# Altium PCB radxa_cm4_io_v1.10.PcbDoc (part 1 of 8)
Units mil, origin at the board's own origin, x right, y up, seen from the top; angles counter-clockwise.
Board outline 6299.62 x 3544.12 mil, 4 copper layers (Top, GND, Power, Bottom), stack 35.4 mil thick; 509 components, 417 nets, 1867 pads, 2150 vias.
Unrouted connection lines stored in the file: 1451.
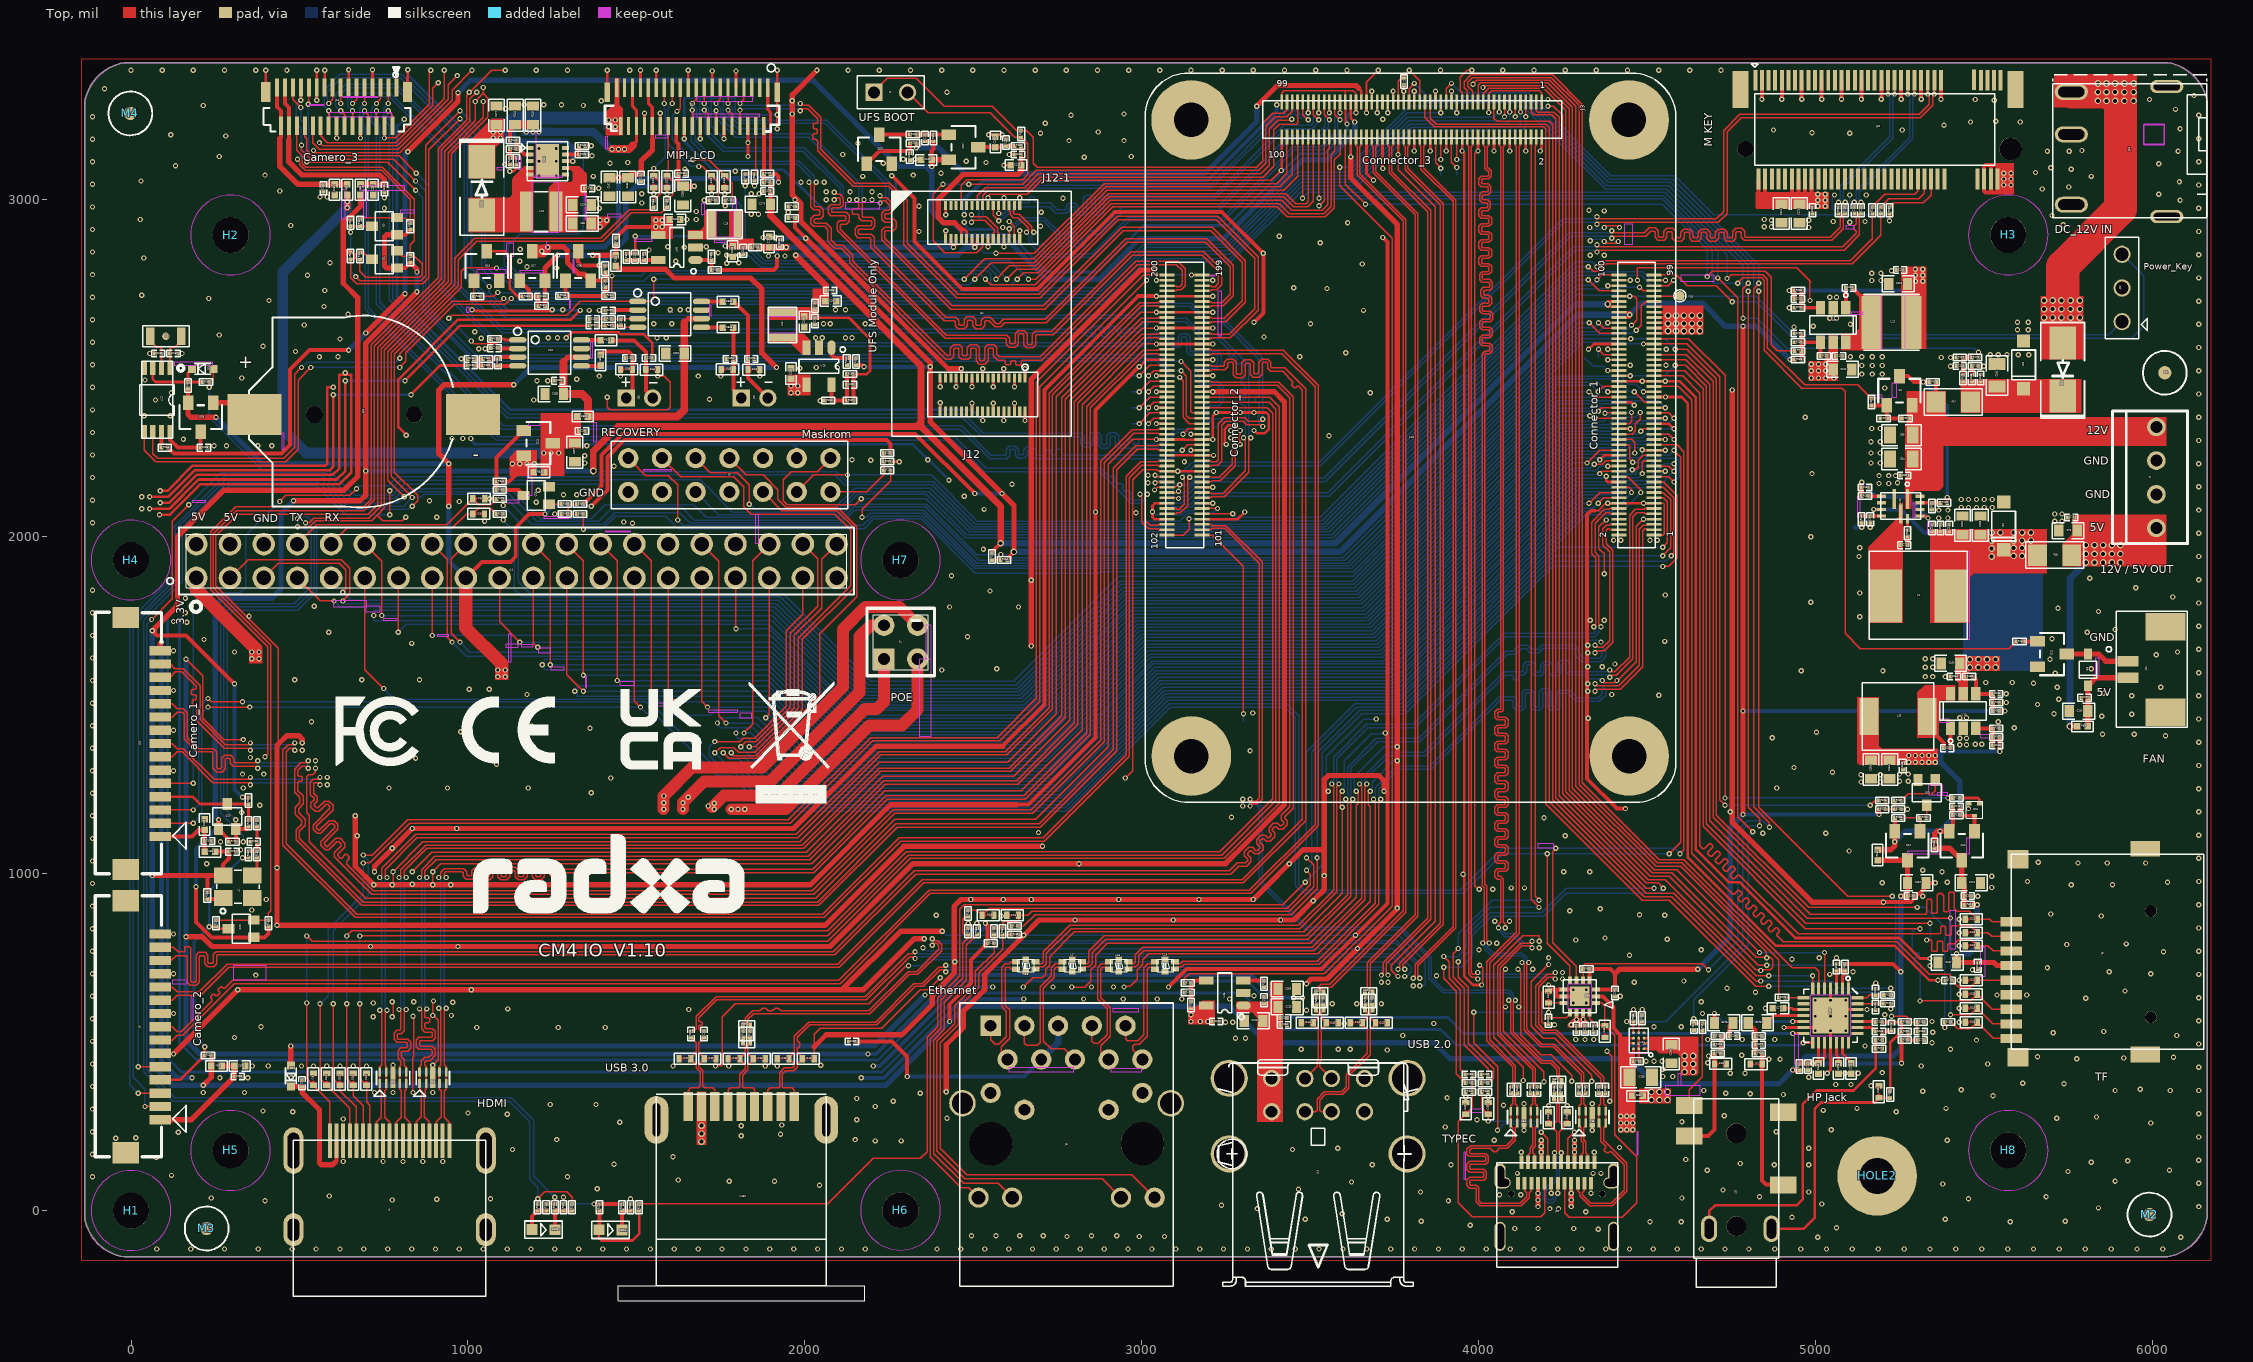
[diagram p0: Top view]
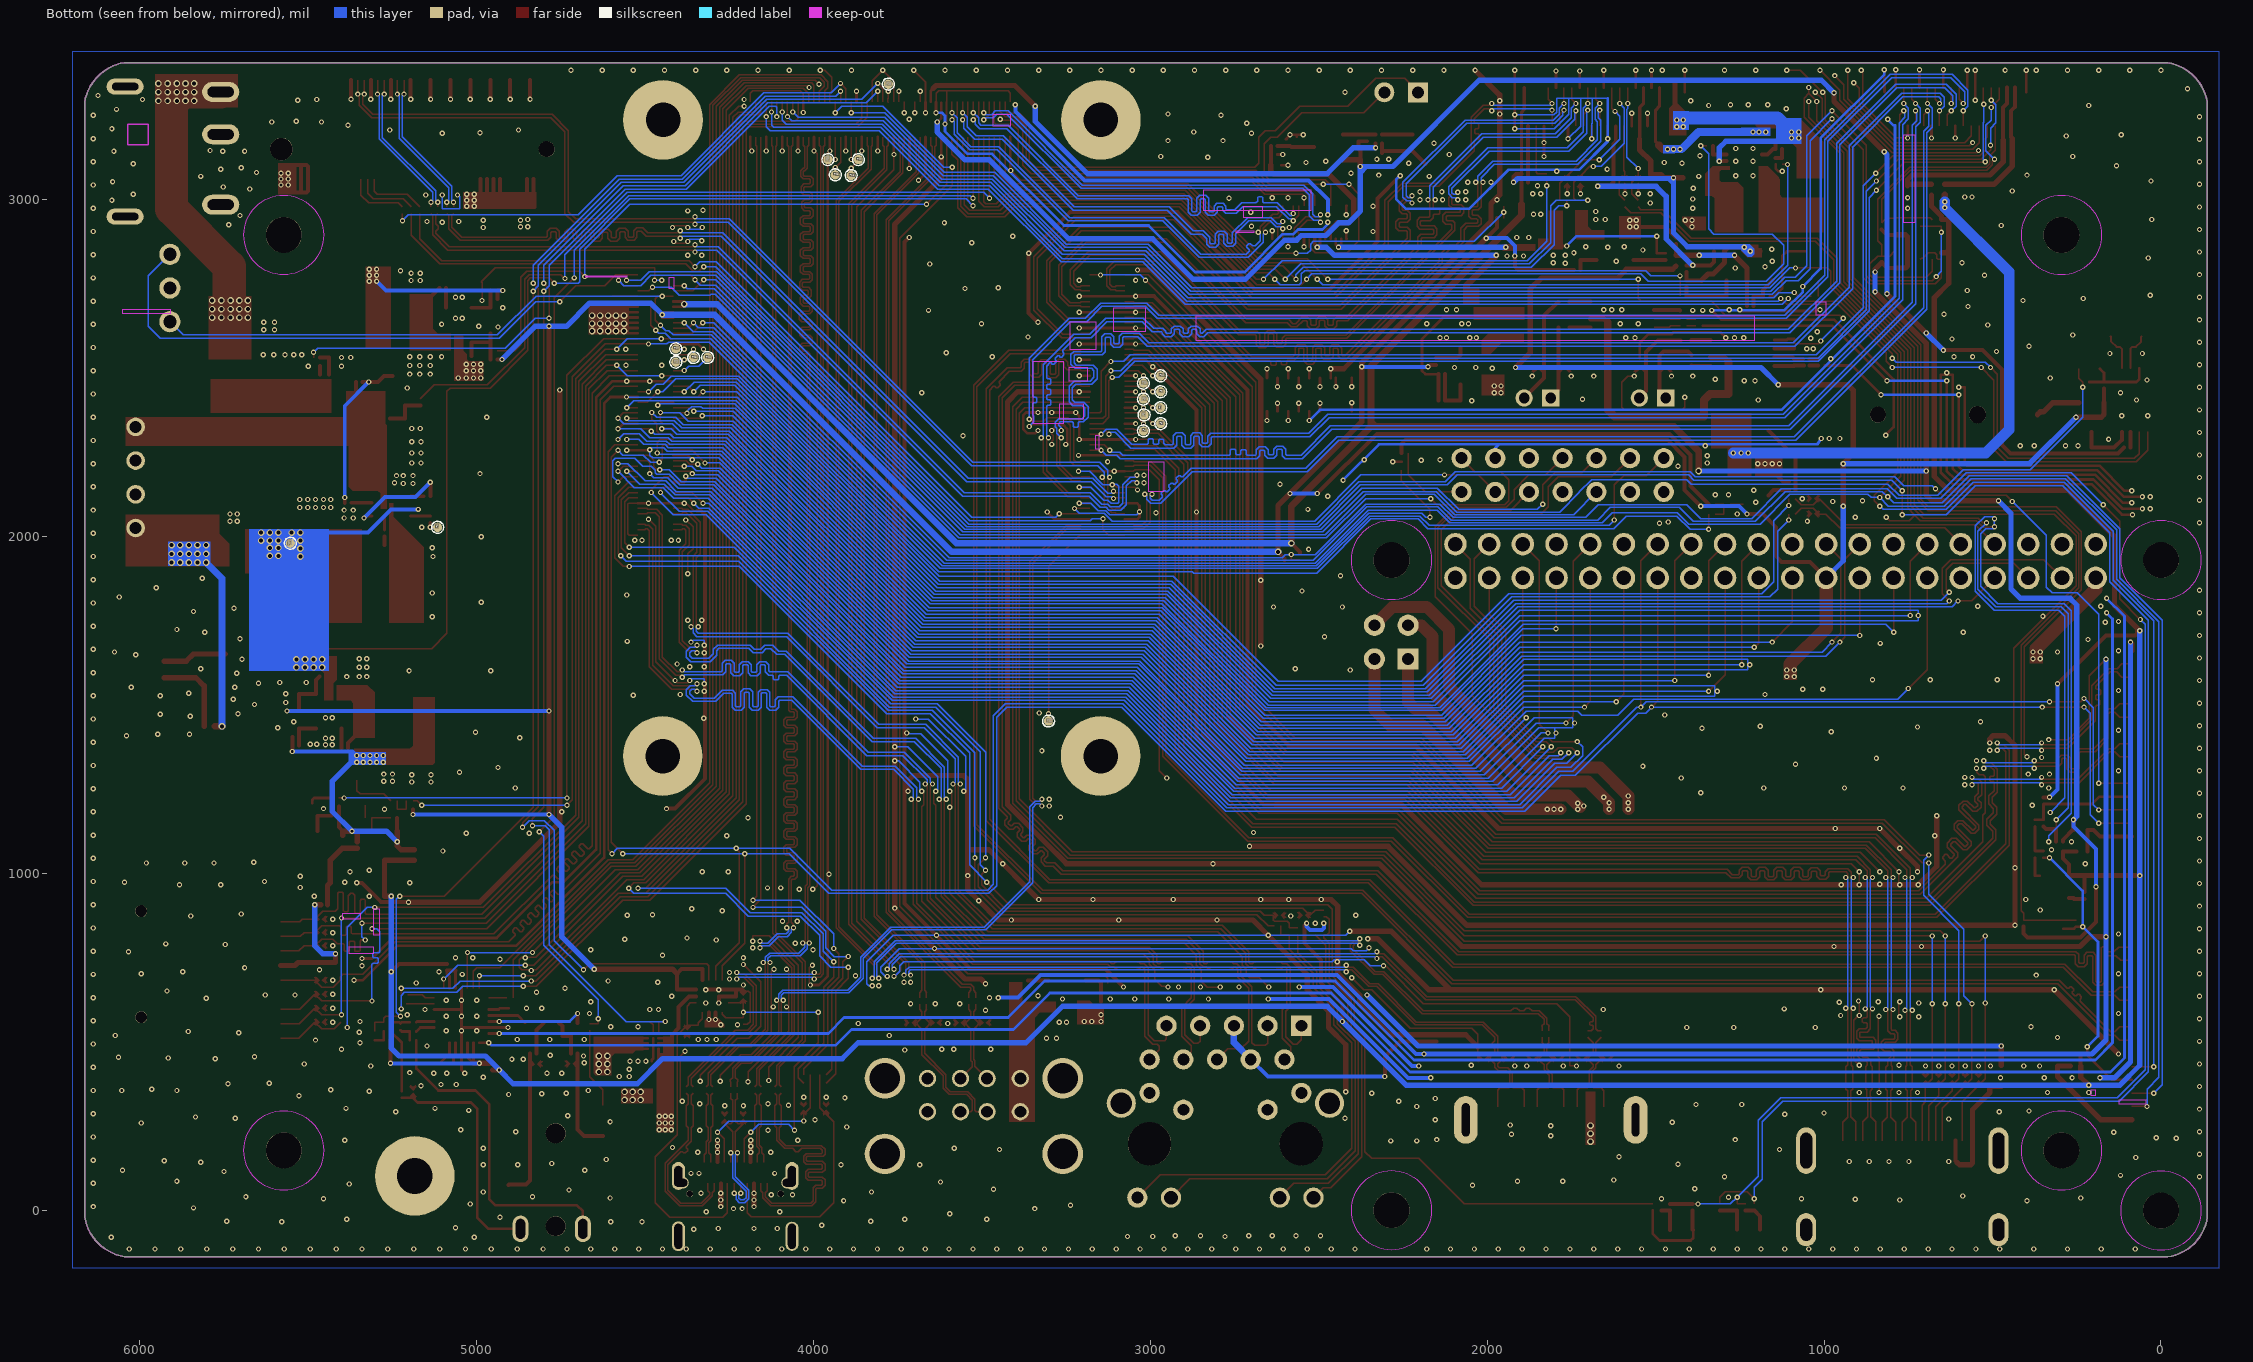
[diagram p1: Bottom view, seen from below]
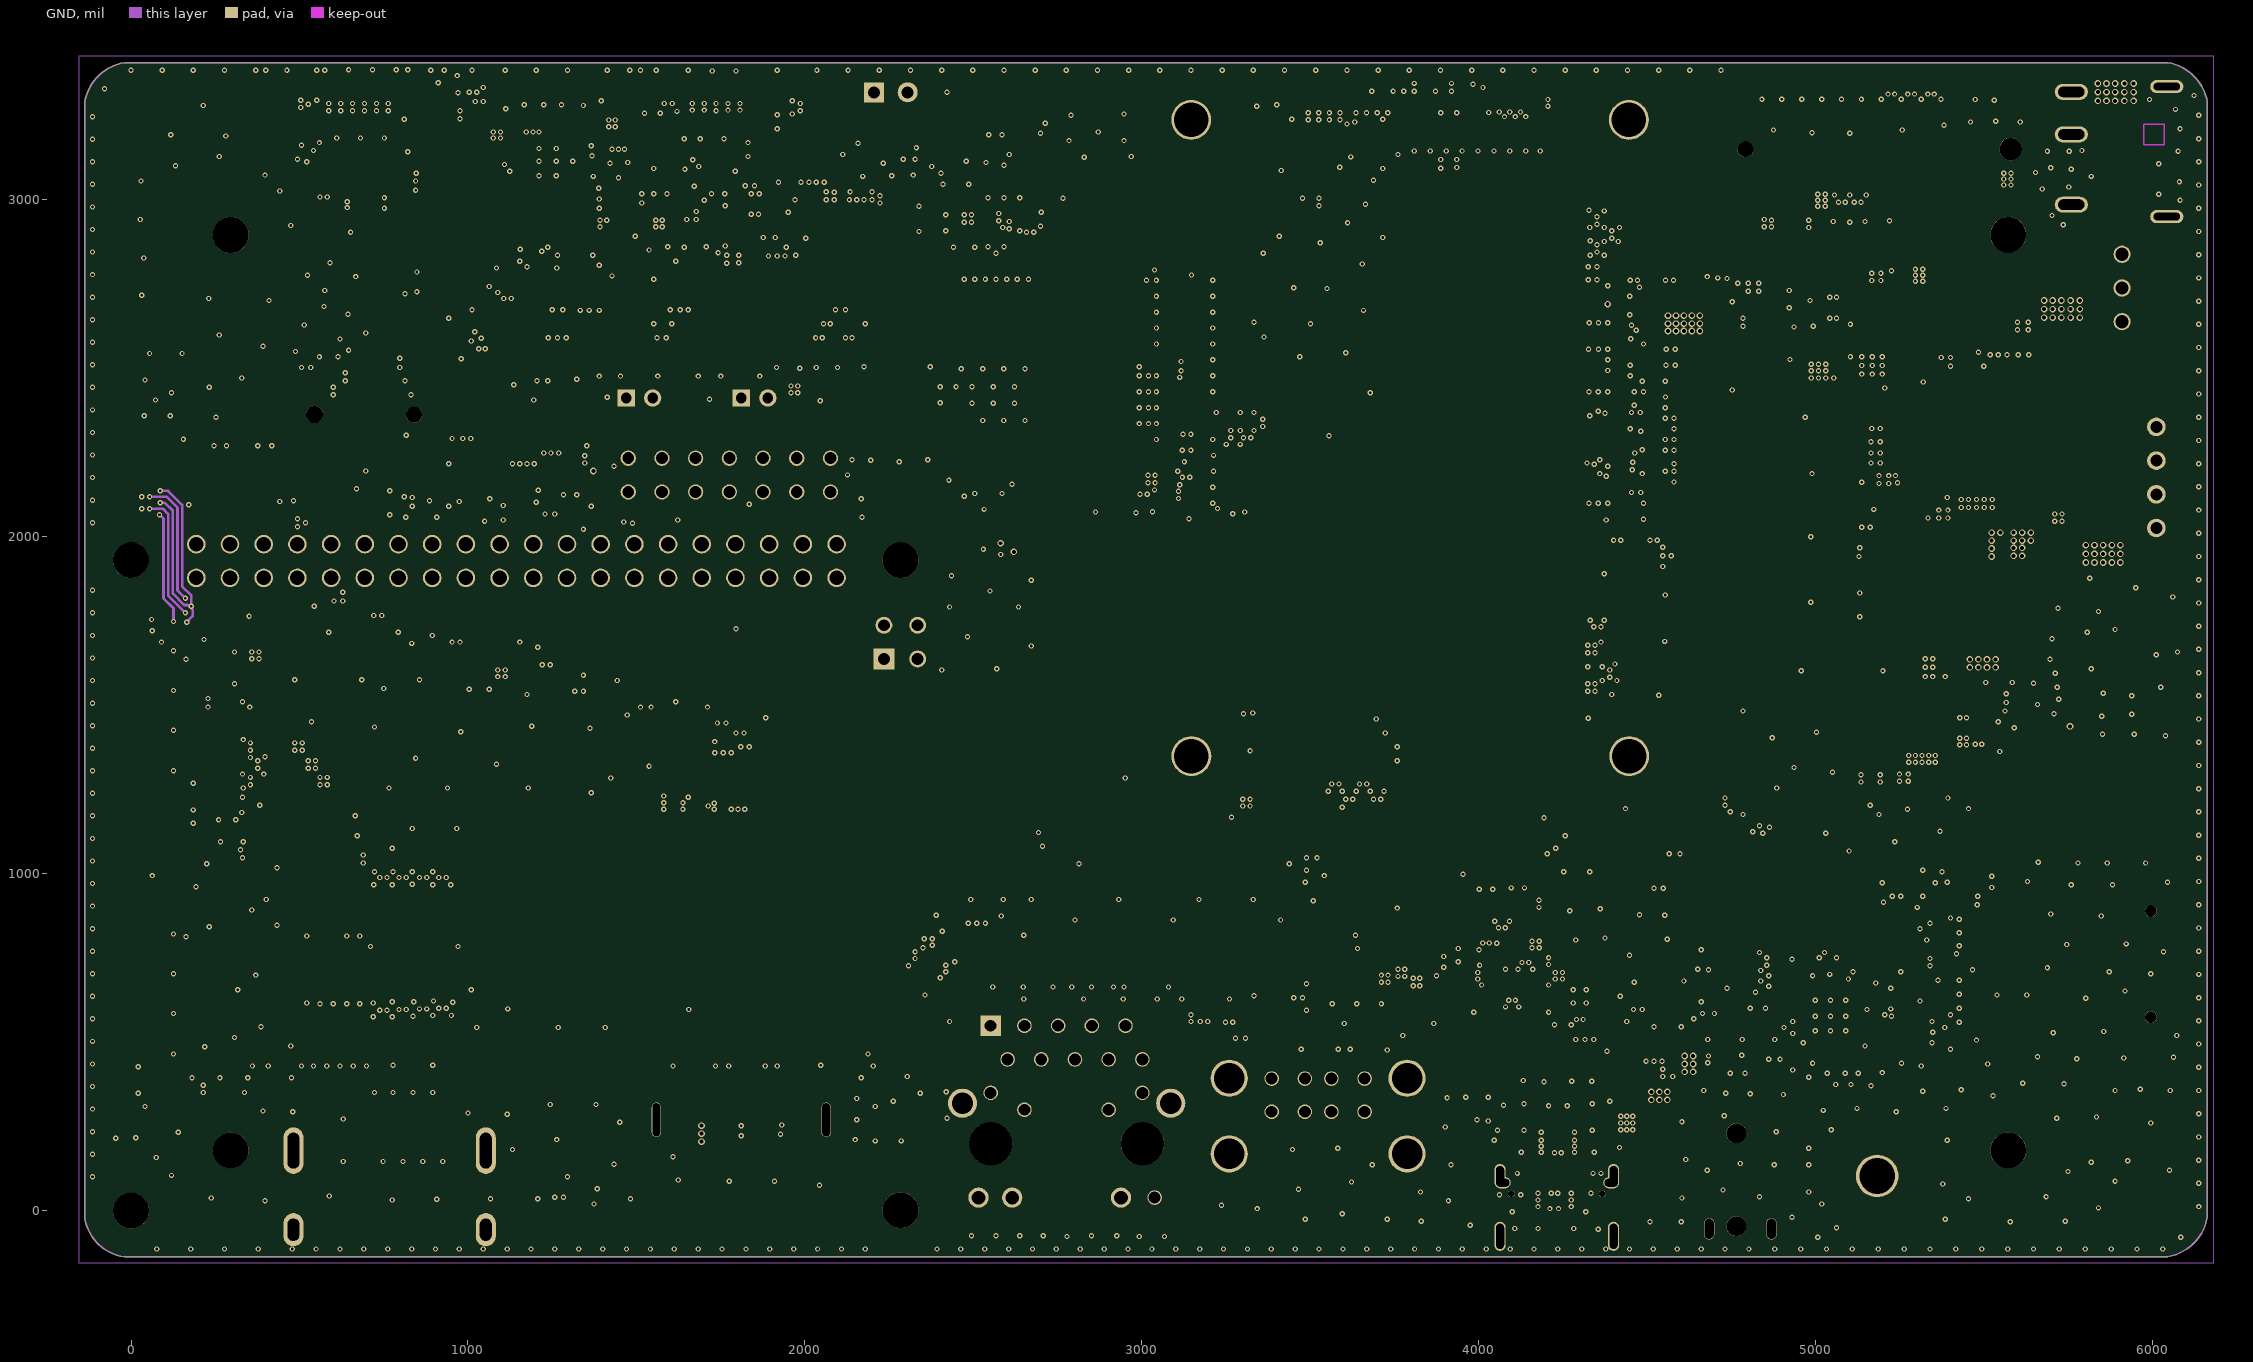
[diagram p2: GND]
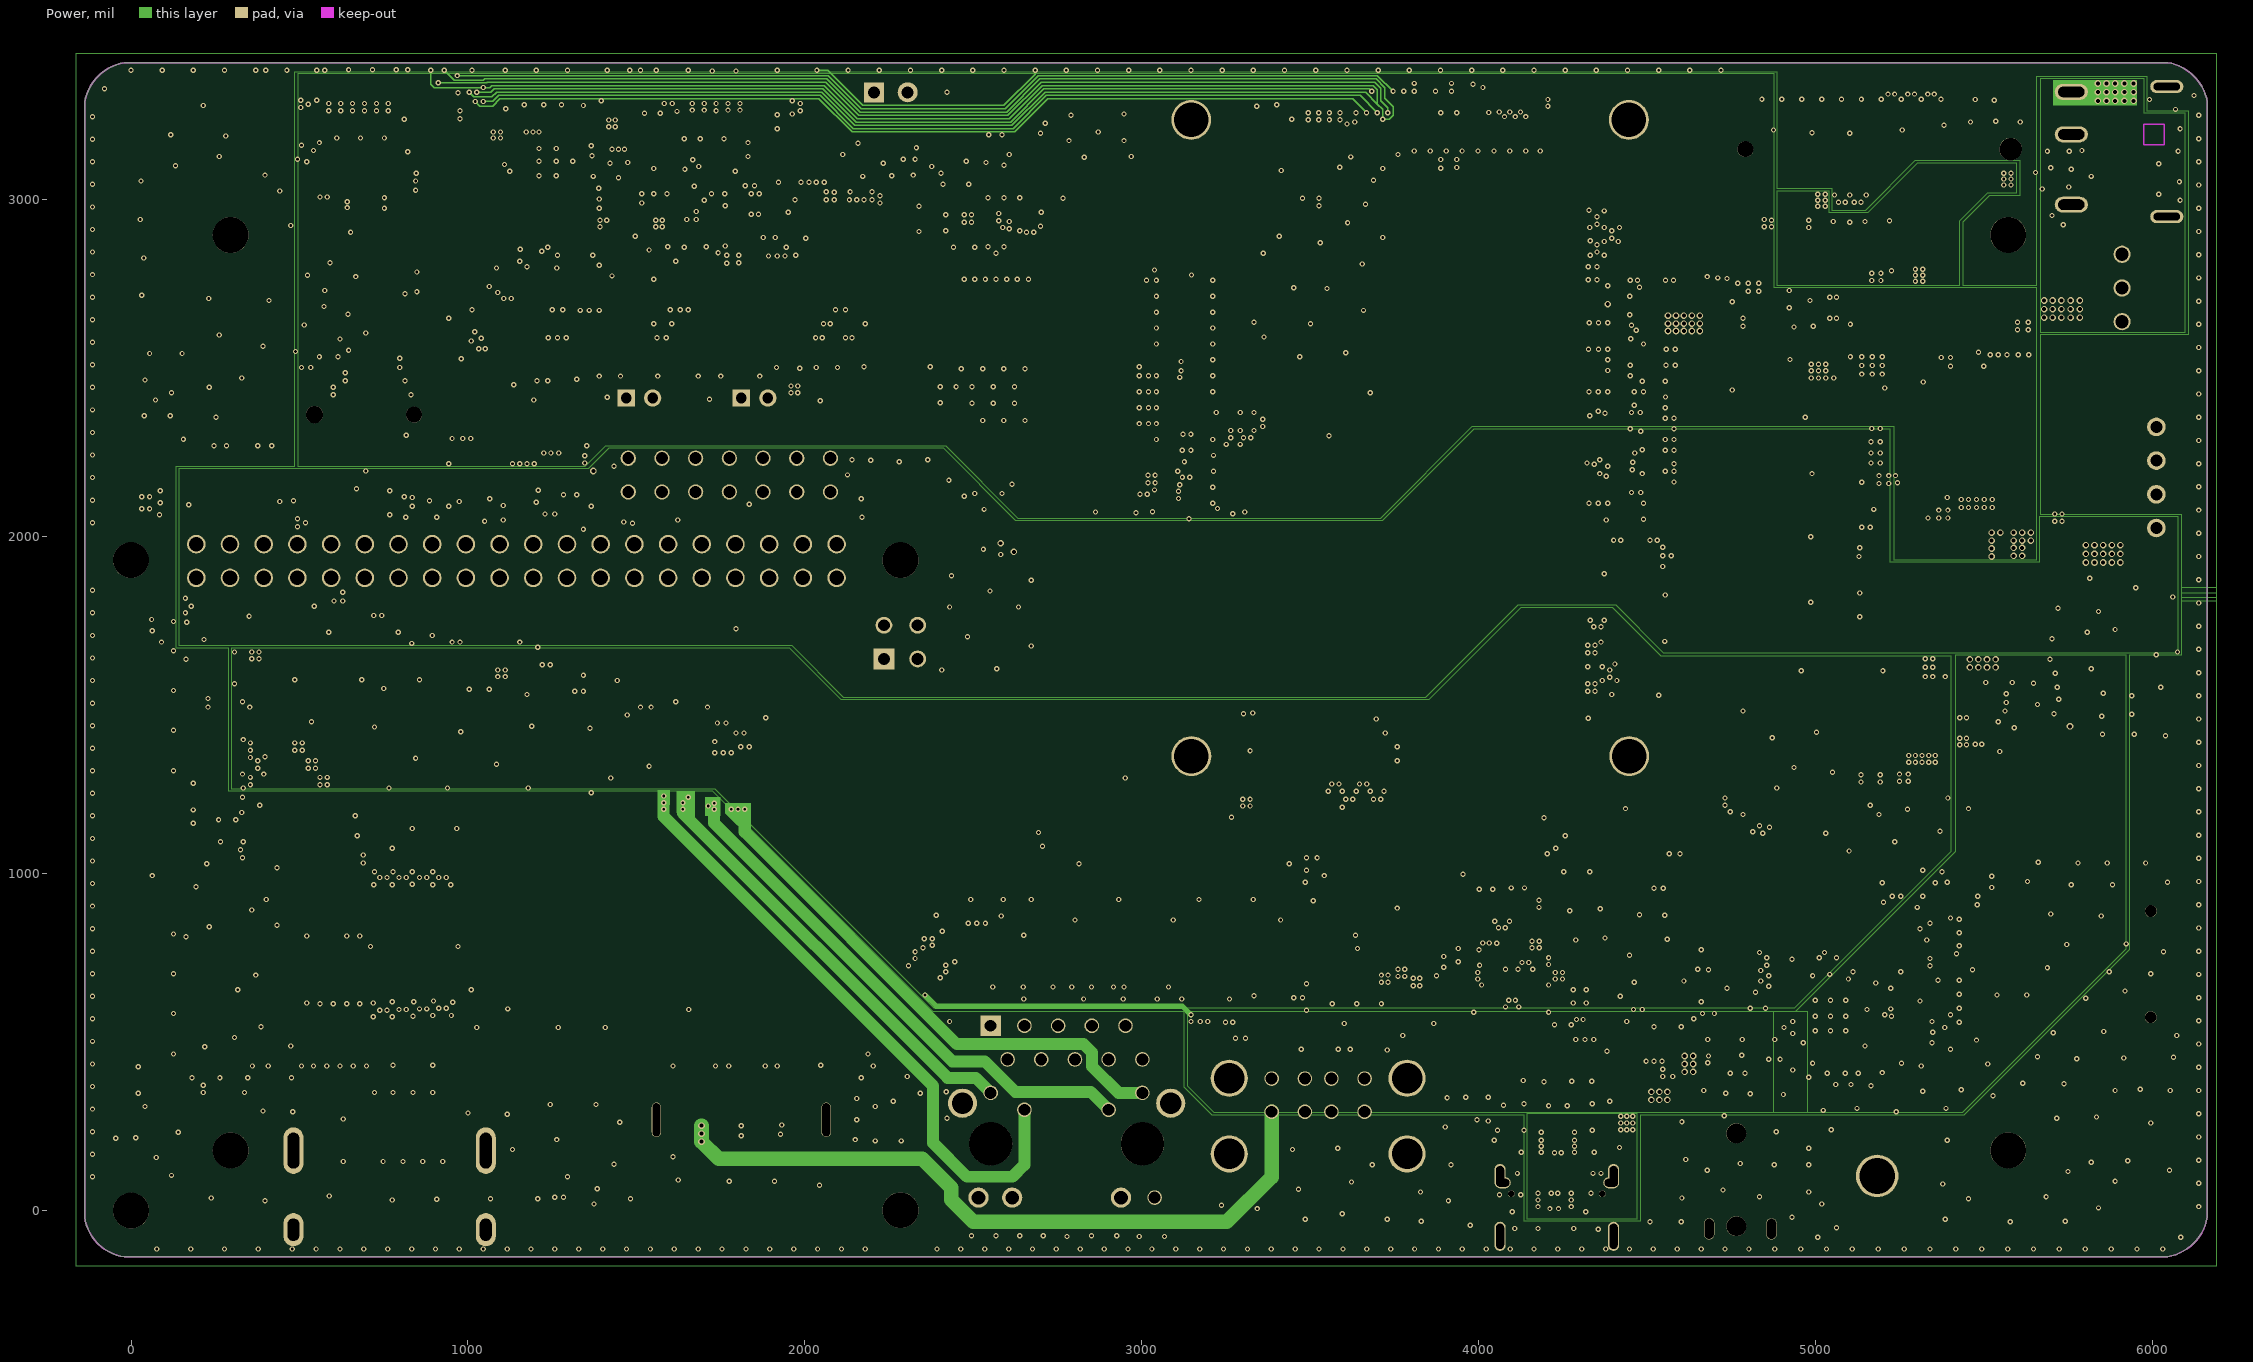
[diagram p3: Power]

## Layer stack, top to bottom
Solder Mask Top: solder mask 0.4, Solder Resist, Dk 3.5
Top: signal copper 1.35
Dielectric 1: dielectric 10, FR-4, Dk 4.3
GND: signal copper 1.35
Dielectric2: dielectric 10, FR-4, Dk 4.3
Power: signal copper 1.35
Dielectric3: dielectric 10, FR-4, Dk 4.3
Bottom: signal copper 1.35
Solder Mask Bottom: solder mask 0.4, Solder Resist, Dk 3.5

## Board outline
-137.8,3288.58 -137.79,3288.63 cw(c4.92,3263.98) -19.69,3406.69 6043.7,3406.69 6043.62,3406.71 cw(c6020.78,3265.66) 6161.81,3288.58 6161.81,-19.29 6161.82,-19.26 cw(c6017.43,6.98) 6043.7,-137.4 -19.69,-137.4 -19.63,-137.41 cw(c-0.02,0.38) -137.8,-19.29

## Design rules (kind name [scope] priority, off if disabled: settings)
Clearance "Clearance - Default - DEFAULT - Via" [IsVia vs IsVia] p1: gap=0 ignorepadtopadclearanceinfootprint=FALSE
Clearance "Clearance - Default - DEFAULT- SMD" [IsVia vs IsSMTPin] p2: gap=0 ignorepadtopadclearanceinfootprint=FALSE
Clearance "Clearance - Default - DEFAULT - Net" [All] p3: gap=3.94 ignorepadtopadclearanceinfootprint=FALSE except(7.87: Arc-Fill Arc-Poly Arc-Region Track-Fill Track-Poly Track-Region SMDPad-Fill SMDPad-Poly SMDPad-Region THPad-Fill THPad-Poly THPad-Region Via-Fill Via-Poly Via-Region Fill-Fill Fill-Poly Fill-Region Poly-Poly Poly-Region Region-Region; 10: Arc-Hole Track-Hole SMDPad-Hole THPad-Hole Via-Hole Fill-Hole Poly-Hole Region-Hole Text-Text Text-Hole)
ComponentClearance "ComponentClearance - Default - DEFAULT" [All] p1: gap=0 collisioncheckmode=3 verticalgap=10 showdistances=FALSE
DiffPairsRouting "DiffPairsRouting - DiffPair - SSTX2" [InDifferentialPairClass('DiffPairClassFor_DP_GAP_39370_Width_39370')] p1: maxlimit=3.94 minlimit=3.94 mostfreqgap=3.94 toplayer_minwidth=3.94 toplayer_maxwidth=3.94 toplayer_prefwidth=3.94 midlayer1_minwidth=3.94 midlayer1_maxwidth=3.94 midlayer1_prefwidth=3.94 midlayer2_minwidth=3.94 midlayer2_maxwidth=3.94 midlayer2_prefwidth=3.94 bottomlayer_minwidth=3.94 bottomlayer_maxwidth=3.94 bottomlayer_prefwidth=3.94 maxuncoupledlength=500
DiffPairsRouting "DiffPairsRouting - DiffPair - Default" [All] p2: maxlimit=5.91 minlimit=5.91 mostfreqgap=5.91 toplayer_minwidth=3.94 toplayer_maxwidth=3.94 toplayer_prefwidth=3.94 midlayer1_minwidth=3.94 midlayer1_maxwidth=3.94 midlayer1_prefwidth=3.94 midlayer2_minwidth=3.94 midlayer2_maxwidth=3.94 midlayer2_prefwidth=3.94 bottomlayer_minwidth=3.94 bottomlayer_maxwidth=3.94 bottomlayer_prefwidth=3.94 maxuncoupledlength=500
FanoutControl Fanout_SOIC [IsSOIC] p1: bgadir=Out bgaviamode=Centered fanoutstyle=Auto fanoutdirection=Alternating viagrid=1 // Fanout_SOIC (Default Rule)
FanoutControl Fanout_Small [(CompPinCount < 5)] p2: bgadir=Out bgaviamode=Centered fanoutstyle=Auto fanoutdirection=OutThenIn viagrid=1 // Fanout_Small (Default Rule)
FanoutControl Fanout_LCC [IsLCC] p3: bgadir=Out bgaviamode=Centered fanoutstyle=Auto fanoutdirection=Alternating viagrid=1 // Fanout_LCC (Default Rule)
FanoutControl Fanout_BGA [IsBGA] p4: bgadir=Out bgaviamode=Centered fanoutstyle=Auto fanoutdirection=Alternating viagrid=1 // Fanout_BGA (Default Rule)
HoleToHoleClearance "HoleToHoleClearance - Default - DEFAULT" [All] p1: gap=0 allowstackedmicrovias=TRUE
Length "Length - DiffPair - Default" [InAnyDifferentialPair] p1: maxlimit=18503.27 minlimit=0
Length "Length - NetClass - HighSpeedClass_4(RuleSet)" [InNetClass('HighSpeedClass_4(RuleSet)')] p2: maxlimit=18503.27 minlimit=0
Length "Length - NetClass - MLNetGroup16" [InNetClass('MLNetGroup16')] p3: maxlimit=18503.27 minlimit=0
Length "Length - NetClass - MLNetGroup11" [InNetClass('MLNetGroup11')] p4: maxlimit=18503.27 minlimit=0
Length "Length - NetClass - MLNetGroup14" [InNetClass('MLNetGroup14')] p5: maxlimit=18503.27 minlimit=0
Length "Length - NetClass - MLNetGroup1" [InNetClass('MLNetGroup1')] p6: maxlimit=18503.27 minlimit=0
Length "Length - NetClass - MLNetGroup15" [InNetClass('MLNetGroup15')] p7: maxlimit=18503.27 minlimit=0
Length "Length - NetClass - MLNetGroup12" [InNetClass('MLNetGroup12')] p8: maxlimit=18503.27 minlimit=0
Length "Length - NetClass - MLNetGroup10" [InNetClass('MLNetGroup10')] p9: maxlimit=18503.27 minlimit=0
Length "Length - NetClass - MLNetGroup13" [InNetClass('MLNetGroup13')] p10: maxlimit=18503.27 minlimit=0
Length "Default Length_1" [All] p11: maxlimit=50000 minlimit=0
Length "Default Length" [All] p12: maxlimit=18503.27 minlimit=0
MatchedLengths "MatchedLengths - DiffPair - Default" [InAnyDifferentialPair] p1: tolerance=19.68 checknetsindiffpair=TRUE checkdiffpairvsdiffpair=FALSE checkxsignals=FALSE checkothers=FALSE
MatchedLengths "MatchedLengths - NetClass - HighSpeedClass_4(RuleSet)" [InNetClass('HighSpeedClass_4(RuleSet)')] p2: tolerance=19.68 checknetsindiffpair=FALSE checkdiffpairvsdiffpair=TRUE checkxsignals=TRUE checkothers=TRUE
MatchedLengths "MatchedLengths - NetClass - MLNetGroup11" [InNetClass('MLNetGroup11')] p3: tolerance=19.68 checknetsindiffpair=FALSE checkdiffpairvsdiffpair=TRUE checkxsignals=TRUE checkothers=TRUE
MatchedLengths "MatchedLengths - NetClass - MLNetGroup16" [InNetClass('MLNetGroup16')] p4: tolerance=19.68 checknetsindiffpair=FALSE checkdiffpairvsdiffpair=TRUE checkxsignals=TRUE checkothers=TRUE
MatchedLengths "MatchedLengths - NetClass - MLNetGroup14" [InNetClass('MLNetGroup14')] p5: tolerance=19.68 checknetsindiffpair=FALSE checkdiffpairvsdiffpair=TRUE checkxsignals=TRUE checkothers=TRUE
MatchedLengths "MatchedLengths - NetClass - MLNetGroup1" [InNetClass('MLNetGroup1')] p6: tolerance=19.68 checknetsindiffpair=FALSE checkdiffpairvsdiffpair=TRUE checkxsignals=TRUE checkothers=TRUE
MatchedLengths "MatchedLengths - NetClass - MLNetGroup15" [InNetClass('MLNetGroup15')] p7: tolerance=19.68 checknetsindiffpair=FALSE checkdiffpairvsdiffpair=TRUE checkxsignals=TRUE checkothers=TRUE
MatchedLengths "MatchedLengths - NetClass - MLNetGroup13" [InNetClass('MLNetGroup13')] p8: tolerance=19.68 checknetsindiffpair=FALSE checkdiffpairvsdiffpair=TRUE checkxsignals=TRUE checkothers=TRUE
MatchedLengths "MatchedLengths - NetClass - MLNetGroup12" [InNetClass('MLNetGroup12')] p9: tolerance=19.68 checknetsindiffpair=FALSE checkdiffpairvsdiffpair=TRUE checkxsignals=TRUE checkothers=TRUE
MatchedLengths "MatchedLengths - NetClass - MLNetGroup10" [InNetClass('MLNetGroup10')] p10: tolerance=19.68 checknetsindiffpair=FALSE checkdiffpairvsdiffpair=TRUE checkxsignals=TRUE checkothers=TRUE
MatchedLengths "Default Matched Lengths" [All] p11: tolerance=19.68 checknetsindiffpair=FALSE checkdiffpairvsdiffpair=TRUE checkxsignals=TRUE checkothers=TRUE
MaxMinImpedance "Default Impedance" [All] p1: minimum=50.00 maximum=150.0
MaxMinImpedance "Default Impedance_1" [All] p2: minimum=50.00 maximum=150.0
ParallelSegment "Default Parallel Segment Same Layer_1" [All] p1: limit=1000 gap=200
ParallelSegment "Default Parallel Segment Adjasent_1" [All] p2: limit=1000 gap=200
ParallelSegment "Default Parallel Segment Same Layer" [All] p3: limit=1000 gap=200
ParallelSegment "Default Parallel Segment Adjasent" [All] p4: limit=1000 gap=200
PlaneClearance "PlaneClearance - FootPrint 'CON_TH20X2_2D54_STA'" [HasFootprint('CON_TH20X2_2D54_STA')] p1: clearance=7.87 // PAD - Power Plane Clearance
PlaneClearance "PlaneClearance - FootPrint 'CONM_TH2X2_2D54_STA'" [HasFootprint('CONM_TH2X2_2D54_STA')] p2: clearance=7.5 // PAD - Power Plane Clearance
PlaneClearance "PlaneClearance - FootPrint 'M2-M_KEY_SM_75_0D5'" [HasFootprint('M2-M_KEY_SM_75_0D5')] p3: clearance=0 // PAD - Power Plane Clearance
PlaneClearance "PlaneClearance - FootPrint 'CONM_TH2X7_2D54_STA'" [HasFootprint('CONM_TH2X7_2D54_STA')] p4: clearance=4.92 // PAD - Power Plane Clearance
PlaneConnect "Default PlaneConnect" [All] p1: planeconnectstyle=Relief reliefexpansion=20 reliefentries=4 reliefconductorwidth=15 reliefairgap=10
PolygonConnect "PolygonConnect - Default SMT" [IsSMTPin] p1: connectstyle=Direct reliefconductorwidth=10 reliefentries=4 polygonreliefangle="45 Angle" airgapwidth=10
PolygonConnect "PolygonConnect - Default Pad" [All] p2: connectstyle=Relief reliefconductorwidth=15 reliefentries=4 polygonreliefangle="45 Angle" airgapwidth=10
RoutingLayers "RoutingLayers - Default - DEFAULT" [All] p1: top layer_v5=TRUE mid layer 1_v5=TRUE mid layer 2_v5=TRUE bottom layer_v5=TRUE
RoutingPriority "RoutingPriority - Default - DEFAULT" [All] p1: routingpriority=3
RoutingTopology "Default Routing Topology" [All] p1: topology=Shortest
RoutingVias "RoutingVias - Default - DEFAULT" [All] p1: holewidth=7.87 width=15.75 viastyle="Through Hole" minholewidth=7.87 minwidth=15.75 maxholewidth=7.87 maxwidth=15.75
SMDToCorner "SMDToCorner - Default - DEFAULT" [All] p1: distance=0
SolderMaskExpansion [All] p1: expansion=4 istentingtop=FALSE
Width "Default Width" [All] p1: maxlimit=196.85 minlimit=3.94 preferedwidth=3.94
18 further rules are at their usual default settings.
